# Altium PCB CarrierMotherboard.PcbDoc (part 3 of 6)
Units mm, origin at the board's own origin, x right, y up, seen from the top; angles counter-clockwise.
Board outline 152.4 x 101.6 mm, 8 copper layers (L1-CU, GND, L3-CU-PWR, L4-CU, L5-CU-GND, L6-CU, L7-CU-GND, L8-CU), stack 1.524 mm thick; 270 components, 270 nets, 1285 pads, 799 vias.
Unrouted connection lines stored in the file: 236.
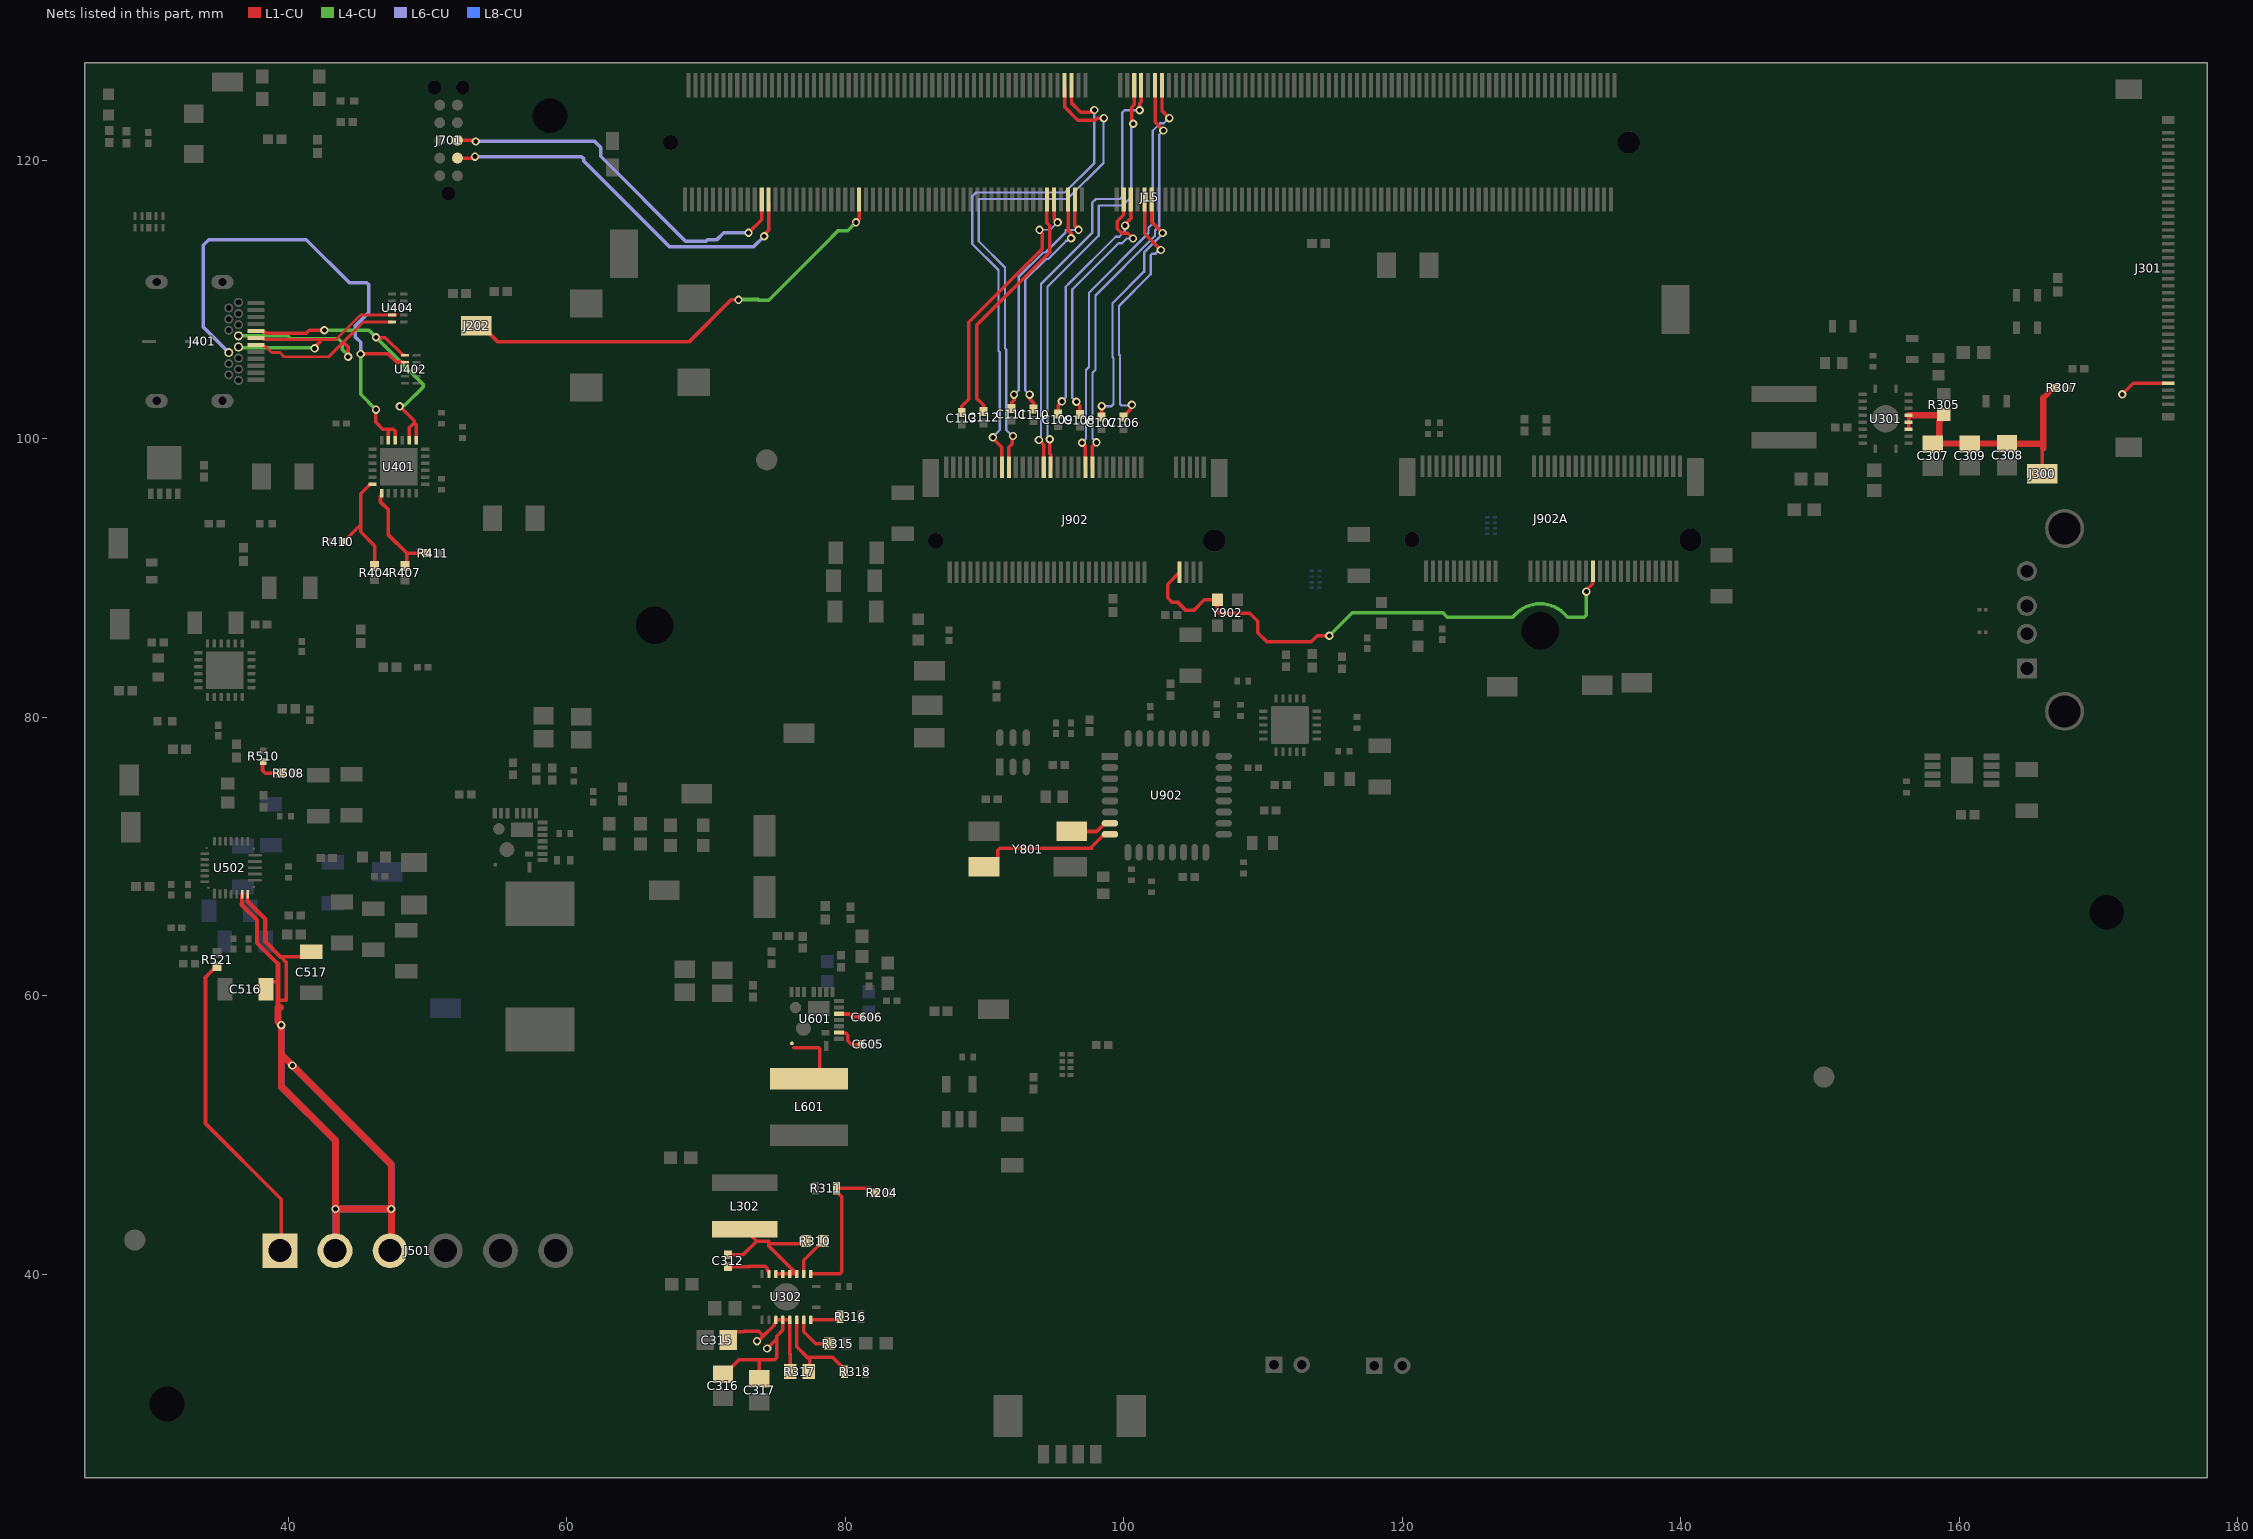
[diagram p9: the nets of this part, all layers, seen from the top]

## Via types
v1: diameter 0.6, hole 0.35, L1-CU to L8-CU, 799 vias

## Nets (pads, with @x,y where several pads share a name; then routed paths per layer and width w, separated by ;. In a path a pad name is that pad's centre, name@x,y a point inside that pad or via, vN(x,y) a via of type N, cw(c..) or ccw(c..) an arc to the next point about the centre after c; other vN are vias at no path point) (continued)
5V_SW: L601.1 U601.5-6-7-8-9 | length 4.5
  L1-CU w0.254: 76.288,56.273 78.082,56.273 78.186,56.168 78.186,54.694 77.538,54.046 L601.1@77.412,54.046
5V_VDD: C606.1 U601.15 | length 1.7
  L1-CU w0.254: U601.15@79.55,58.723 79.573,58.7 80.3,58.7 80.504,58.496 80.943,58.496 C606.1@81.1,58.34
5V_VDRV: C605.1 U601.12 | length 2.2
  L1-CU w0.254: U601.12@79.55,57.373 79.573,57.35 79.906,57.35 79.926,57.33 80.019,57.33 80.17,57.179 80.17,56.787 80.468,56.489 81.109,56.489 C605.1@81.135,56.515
6V0_EN: R204.2 R311.1 U302.2 | length 11.4
  L1-CU w0.254: U302.2@77.522,40.03 79.604,40.03 79.756,40.183 79.756,45.584 79.363,45.977 R311.1@79.363,46.177 81.796,46.177 82.126,45.847 R204.2@82.151,45.847
6V0_FB: 
6V0_MODE1: 
6V0_MODE2: 
6V0_OUT: C315.1 C316.1 C317.1 J301.37 R317.1 U302.14 U302.15 U302.16 | length 23.1
  L1-CU w0.254: C316.1@71.222,32.817 71.322,32.817 72.389,33.884 73.835,33.884 ; C315.1@71.582,35.27 71.582,35.371 72.082,35.871 72.701,35.871 72.746,35.916 73.781,35.916 74.121,35.575 ; v1(73.66,35.204) 73.75,35.204 74.121,35.575 ; C317.1@73.835,32.508 73.835,33.884 ; v1(74.391,34.674) 75.082,35.366 ; R317.1@76.038,33.026 76.038,34.288 76.022,34.304 U302.16@76.022,36.73 U302.15@75.522,36.73 ; v1(171.704,103.2) 172.504,104 J301.37@175,104 ; 73.835,33.884 74.934,33.884 75.082,34.032 75.082,35.366 ; 74.121,35.575 74.899,36.353 74.899,36.441 75.022,36.564 U302.14@75.022,36.73 U302.15@75.522,36.73 ; 75.082,35.366 75.082,35.57 75.522,36.009 U302.15@75.522,36.73
6V0_SW: C312.1 L302.2 R310.2 U302.4 U302.5 U302.6 U302.7 | length 11.8
  L1-CU w0.254: C312.1@71.761,41.414 72.657,41.414 73.635,42.392 ; L302.2@72.771,43.256 73.635,42.392 ; U302.7@75.022,40.03 U302.6@75.522,40.03 U302.5@76.022,40.03 U302.4@76.522,40.03 74.525,42.028 74.525,42.207 ; R310.2@77.185,42.393 76.999,42.207 74.525,42.207 ; 73.635,42.392 74.52,42.392 74.525,42.387 74.525,42.207
6V0_VDD: 
6V_BOOT: C312.2 U302.8 | length 3.2
  L1-CU w0.254: C312.2@71.761,40.556 73.067,40.556 73.098,40.587 74.246,40.587 74.399,40.434 74.399,40.319 74.522,40.196 U302.8@74.522,40.03
6V_COMP: R315.2 U302.18 | length 3
  L1-CU w0.254: U302.18@77.022,36.73 77.022,35.881 77.877,35.026 R315.2@78.856,35.026
6V_FSW: R310.1 U302.3 | length 3
  L1-CU w0.254: U302.3@77.022,40.03 77.029,40.037 77.029,41.006 78.112,42.089 78.175,42.089 78.416,42.329 R310.1@78.416,42.393
6V_ILIM: R316.1 U302.19 | length 2.3
  L1-CU w0.254: U302.19@77.522,36.73 79.496,36.73 79.619,36.853 R316.1@79.619,36.958
10V_OUT: C307.1 C308.1 C309.1 J300.1 R305.1 R307.1 U301.14 U301.15 U301.16 | length 20.1
  L1-CU w0.254: U301.14@156.361,100.698 U301.15@156.361,101.198 U301.16@156.361,101.698 ; R305.1@158.839,101.698 R305.1@158.894,101.752 ; C308.1@163.435,99.638 C308.1@163.536,99.638 ; J300.1@165.964,97.485 165.964,99.238 166.04,99.314
  L1-CU w0.4: 166.04,102.946 R307.1@166.756,103.662
  L1-CU w0.45: U301.16@156.361,101.698 158.638,101.698 R305.1@158.839,101.698 ; C307.1@158.09,99.615 158.144,99.67 160.68,99.67 163.108,99.67 C308.1@163.307,99.869 ; C307.1@158.572,100.038 158.572,101.246 158.638,101.311 158.638,101.51 158.88,101.752 R305.1@158.894,101.752 ; C308.1@163.408,99.869 163.632,99.644 166.04,99.644 ; 166.04,99.314 166.04,99.644 ; 166.04,102.946 166.04,99.644
32.7KHZ_OUT: J902.68 J902A.50 Y902.3 | length 40.1
  L1-CU w0.254: J902.68@104.003,90.421 103.149,89.568 103.149,88.594 103.491,88.252 103.899,88.252 104.258,87.893 104.47,87.681 105.02,87.681 105.784,88.445 Y902.3@106.726,88.445 106.726,87.626 106.875,87.478 109.042,87.478 109.626,86.893 109.626,86.083 110.29,85.42 113.462,85.42 113.902,85.86 v1(114.768,85.86) ; v1(133.223,89.027) 133.223,89.146 133.685,89.607 133.685,90.461 J902A.50@133.708,90.484
  L4-CU w0.254: v1(114.768,85.86) 116.411,87.503 122.926,87.503 123.156,87.273 123.231,87.198 127.834,87.198 127.925,87.198 127.995,87.256 ccw(c127.834,87.452) 128.028,87.288 cw(c129.908,85.707) 131.788,87.288 ccw(c131.982,87.452) 131.82,87.256 131.891,87.198 131.982,87.198 133.074,87.198 133.149,87.273 133.223,87.347 v1(133.223,89.027)
+5: 
ADDR0: R404.1 R410.1 U401.12 | length 8.5
  L1-CU w0.254: R410.1@43.986,92.608 44.011,92.608 44.159,92.756 44.159,92.781 45.2,93.822 ; U401.12@46.05,96.75 45.879,96.75 45.2,96.071 45.2,93.822 ; R404.1@46.2,90.879 46.2,92.325 45.2,93.325 45.2,93.822
ADDR1: R407.1 R411.1 U401.13 | length 7.5
  L1-CU w0.254: U401.13@46.7,96.1 46.7,95.929 46.628,95.857 46.628,95.472 47.2,94.9 47.2,93.1 48.5,91.8 ; R407.1@48.385,90.868 48.5,90.983 48.5,91.8 ; R411.1@49.95,91.8 48.5,91.8
AUDIO_XTI: U902.8 Y801.1 | length 10.4
  L1-CU w0.254: Y801.1@89.966,69.266 90.366,69.266 90.939,69.839 90.939,70.416 91.11,70.587 97.692,70.587 97.714,70.608 97.714,70.719 98.595,71.6 U902.8@99.009,71.6
AUDIO_XTO: U902.7 Y801.3 | length 3
  L1-CU w0.254: Y801.3@96.266,71.806 98.063,71.806 98.658,72.4 U902.7@99.009,72.4
BAT: C516.1 C517.1 J501.2 J501.3 U502.22 U502.23 | length 100
  L1-CU w0.254: 36.653,66.637 36.653,66.919 36.657,66.923 36.657,67.028 36.673,67.044 36.673,67.273 U502.22@36.7,67.3 ; 36.656,66.548 36.656,66.634 ; 37.053,66.833 U502.23@37.053,67.3 ; C516.1@38.36,60.477 38.36,60.602 38.758,61 39.253,61 ; 39.253,59.374 39.453,59.174 ; 39.253,59.7 39.853,59.7 39.853,62.4 39.454,62.799 ; 39.469,62.813 41.245,62.813 C517.1@41.606,63.175 ; 39.5,55.7 39.6,55.7 ; J501.2@43.43,41.93 J501.2@43.46,41.9 ; J501.3@47.41,41.91 J501.3@47.42,41.9
  L1-CU w0.3: 36.653,66.637 36.656,66.634 ; 36.656,66.548 37.753,65.451 37.753,63.8 39.253,62.3 ; 37.053,66.833 38.353,65.533 38.353,63.9 39.454,62.799
  L1-CU w0.35: 39.253,59.374 39.253,59.7 39.253,61 39.253,62.3
  L1-CU w0.5: 39.253,58.127 39.253,59.174 39.453,59.174 ; 39.3,58.127 39.5,57.927 39.5,55.7 39.5,53.5 43.4,49.6 v1(43.4,44.7) v1(47.4,44.7) 47.4,47.9 v1(40.3,55) 39.6,55.7 ; J501.2@43.43,41.93 v1@43.43,44.67 ; J501.3@47.41,41.91 v1@47.41,44.69
  L8-CU w0.254: J501.2@43.43,41.93 J501.2@43.46,41.9 ; J501.3@47.41,41.91 J501.3@47.42,41.9
  L8-CU w0.5: v1(39.5,57.9) 39.5,53.5 43.4,49.6 v1(43.4,44.7) v1(47.4,44.7) 47.4,47.9 v1(40.3,55) ; J501.2@43.43,41.93 v1@43.43,44.67 ; J501.3@47.41,41.91 v1@47.41,44.69
BATP: J501.1 R521.2 | length 22.8
  L1-CU w0.254: 34.015,61.287 R521.2@34.85,62.122 ; 34.061,61.287 34.061,50.839 39.5,45.4 J501.1@39.5,41.9
C_PCIE0_RX0_N: J15.131 J902.41 | length 30.3
  L1-CU w0.249: v1(97.003,99.72) 97.253,99.47 J902.41@97.253,97.971 ; J15.131@102.75,125.2 102.75,123.564 v1(103.276,123.038)
  L6-CU w0.167: v1(97.003,99.72) 97.29,100.007 97.29,104.943 97.501,105.154 97.501,110.499 101.78,114.778 101.78,115.156 102.09,115.466 102.09,122.121 102.632,122.662 102.873,122.662 103.248,123.038 v1(103.276,123.038)
C_PCIE0_RX0_P: J15.133 J902.43 | length 29.8
  L1-CU w0.249: J902.43@97.753,97.971 97.753,99.454 v1(98.044,99.746) ; J15.133@102.25,125.2 102.25,122.743 v1(102.845,122.149)
  L6-CU w0.167: v1(98.044,99.746) 97.757,100.033 97.757,104.75 97.968,104.96 97.968,110.305 102.247,114.584 102.247,114.962 102.557,115.273 102.557,121.834 102.845,122.121 v1(102.845,122.149)
C_PCIE0_RX1_N: J15.137 J902.29 | length 32.1
  L1-CU w0.249: v1(93.904,99.924) 94.253,99.575 J902.29@94.253,97.971 ; v1(101.143,123.596) 101.143,124.093 101.25,124.201 J15.137@101.25,125.2
  L6-CU w0.167: v1(93.904,99.924) 93.904,100.041 94.064,100.201 94.064,111.115 97.729,114.781 97.729,116.957 98.003,117.231 99.724,117.231 99.898,117.405 99.898,123.444 100.051,123.596 v1(101.143,123.596)
C_PCIE0_RX1_P: J15.139 J902.31 | length 31
  L1-CU w0.249: v1(94.691,99.974) 94.691,98.932 94.753,98.87 J902.31@94.753,97.971 ; v1(100.686,122.631) 100.588,122.728 100.588,123.826 100.75,123.988 J15.139@100.75,125.2
  L6-CU w0.167: v1(94.691,99.974) 94.691,100.092 94.531,100.252 94.531,110.922 98.196,114.587 98.196,116.764 99.918,116.764 100.543,117.389 100.543,122.372 100.686,122.514 v1(100.686,122.631)
C_PCIE0_RX2_N: J15.149 J902.17 | length 37.4
  L1-CU w0.249: v1(90.607,100.107) 90.607,100.051 91.253,99.405 J902.17@91.253,97.971 ; J15.149@96.25,125.2 96.25,124.12 96.926,123.444 97.714,123.444 v1(97.892,123.622)
  L6-CU w0.167: v1(90.607,100.107) 90.607,100.158 91.092,100.642 91.092,106.229 91.003,106.318 91.003,112.121 89.119,114.005 89.119,117.415 89.392,117.688 95.758,117.688 97.892,119.822 v1(97.892,123.622)
C_PCIE0_RX2_P: J15.151 J902.19 | length 38.3
  L1-CU w0.249: J902.19@91.753,97.971 91.753,99.405 91.982,99.635 91.982,100.136 v1(92.05,100.203) ; J15.151@95.75,125.2 95.75,123.844 96.699,122.895 97.941,122.895 98.084,123.038 v1(98.577,123.038)
  L6-CU w0.167: v1(92.05,100.203) 91.999,100.203 91.559,100.642 91.559,106.422 91.47,106.511 91.47,112.314 89.586,114.199 89.586,117.221 95.952,117.221 98.546,119.815 98.546,123.006 v1(98.577,123.038)
C_PCIE0_TX0_N: C107.1 J15.134 | length 18
  L1-CU w0.249: C107.1@98.418,101.585 v1@98.418,102.353 ; J15.134@102,117 102,115.576 v1(102.794,114.783)
  L6-CU w0.167: v1(98.418,102.353) 99.126,102.353 99.268,102.495 99.268,105.797 99.191,105.873 99.191,109.74 101.463,112.012 101.463,113.38 102.794,114.711 v1(102.794,114.783)
C_PCIE0_TX0_P: C106.1 J15.136 | length 18.5
  L1-CU w0.249: C106.1@99.991,101.585 99.991,101.618 100.518,102.145 100.518,102.373 v1(100.585,102.44) ; J15.136@101.5,117 101.5,114.73 v1(102.667,113.563)
  L6-CU w0.167: v1(100.585,102.44) 100.541,102.397 99.833,102.397 99.735,102.495 99.735,105.99 99.658,106.067 99.658,109.547 101.93,111.818 101.93,113.186 102.048,113.305 102.291,113.305 102.55,113.563 v1(102.667,113.563)
C_PCIE0_TX1_N: C109.1 J15.140 | length 17.6
  L1-CU w0.249: v1(100.101,115.316) 100.101,115.411 100.524,115.834 100.524,115.976 100.5,116.001 J15.140@100.5,117
  L1-CU w0.254: C109.1@95.274,101.779 95.3,101.805 95.3,102.407 95.555,102.662 v1(95.555,102.692)
  L6-CU w0.167: v1(95.555,102.692) 95.842,102.979 95.842,110.93 96.116,111.204 99.434,114.522 99.68,114.522 100.065,114.908 100.065,115.28 v1(100.101,115.316)
C_PCIE0_TX1_P: C108.1 J15.142 | length 18.6
  L1-CU w0.249: J15.142@100,117 100,116.086 99.547,115.633 99.547,115.086 99.872,114.762 100.291,114.762 v1(100.664,114.388)
  L1-CU w0.254: v1(96.596,102.667) 96.596,102.633 96.848,102.381 96.848,101.749 C108.1@96.846,101.746
  L6-CU w0.167: v1(96.596,102.667) 96.309,102.954 96.309,110.736 99.628,114.055 99.873,114.055 100.213,114.395 100.657,114.395 v1(100.664,114.388)
C_PCIE0_TX2_N: C111.1 J15.148 | length 17.6
  L1-CU w0.249: C111.1@91.95,102.17 91.95,102.614 92.126,102.79 v1(92.126,103.175) ; J15.148@96.5,117 96.5,115.26 v1(96.749,115.011)
  L6-CU w0.167: v1(92.126,103.175) 92.451,103.5 92.451,111.623 94.216,113.389 94.388,113.389 95.823,114.824 95.823,114.996 96.733,114.996 v1(96.749,115.011)
C_PCIE0_TX2_P: C110.1 J15.150 | length 16.8
  L1-CU w0.249: v1(93.243,103.175) 93.243,102.867 93.523,102.588 C110.1@93.523,102.144 ; J15.150@96,117 96,114.976 96.225,114.751 v1(96.225,114.404)
  L6-CU w0.167: v1(93.243,103.175) 92.918,103.5 92.918,111.43 94.41,112.922 94.582,112.922 95.88,114.22 95.924,114.22 96.108,114.404 v1(96.225,114.404)
C_PCIE0_TX3_N: C113.1 J15.154 | length 18.6
  L1-CU w0.249: C113.1@88.369,101.891 88.369,102.335 88.881,102.846 88.881,108.373 94.15,113.643 94.15,114.721 93.955,114.916 v1(93.955,115.011) ; J15.154@95,117 95,116.001 95.024,115.976 95.024,115.77 v1(95.25,115.545)
  L6-CU w0.12: v1(93.955,115.011) 94.717,115.011 95.183,115.478 v1@95.183,115.545
C_PCIE0_TX3_P: C112.1 J15.156 | length 17.5
  L1-CU w0.249: C112.1@89.941,101.962 89.941,102.406 89.43,102.918 89.43,108.146 94.699,113.415 94.699,115.312 94.474,115.536 94.474,116.974 J15.156@94.5,117
CC: J401.A5 U401.1 U401.2 U402.1 | length 23.2
  L1-CU w0.254: J401.A5@37.68,107.75 38.13,107.75 38.223,107.657 38.386,107.657 38.443,107.6 41.3,107.6 41.5,107.8 v1(42.6,107.8) ; v1(46.3,107.3) 46.327,107.273 46.981,107.273 48.254,106 U402.1@48.382,106 ; v1(48.006,102.337) 49.05,101.293 49.05,101.15 ; U401.2@48.7,99.9 48.7,100.8 49.05,101.15 ; U401.1@49.2,99.9 49.2,101 49.05,101.15
  L4-CU w0.254: v1(42.6,107.8) 45.8,107.8 v1(46.3,107.3) 49.682,103.918 49.682,103.708 48.377,102.403 48.072,102.403 v1(48.006,102.337)
CC2: J401.B5 U401.4 U401.5 U402.2 | length 39.3
  L1-CU w0.254: v1(45.2,106.1) 47.189,106.1 47.789,105.5 U402.2@48.382,105.5 ; v1(46.3,102.1) 46.3,101.2 46.8,100.7 47.176,100.7 ; U401.5@47.2,99.9 47.2,100.676 47.176,100.7 ; U401.4@47.7,99.9 47.7,100.551 47.551,100.7 47.176,100.7
  L4-CU w0.254: v1(45.2,106.1) 45.2,103.2 v1(46.3,102.1)
  L6-CU w0.254: J401.B5@35.73,106.2 33.9,108.03 33.9,113.9 34.3,114.3 41.3,114.3 44.4,111.2 45.651,111.2 45.8,111.051 45.8,109.1 44.8,108.1 44.8,107.347 45.2,106.947 v1(45.2,106.1)
CLK_32_OUT: J15.210 J202.1 | length 32.9
  L1-CU w0.254: J202.1@53.492,108.128 53.892,108.128 55.061,106.959 68.777,106.959 71.799,109.982 v1(72.339,109.982) ; v1(80.772,115.545) 81,115.773 J15.210@81,117
  L4-CU w0.254: v1(72.339,109.982) 72.368,110.01 73.736,110.01 73.79,109.957 74.498,109.957 78.486,113.944 78.486,113.947 79.481,114.942 80.169,114.942 v1(80.772,115.545)
DEBUG_RXD_1V8: J15.238 J701.3 | length 27.1
  L1-CU w0.254: J701.3@52.149,121.432 53.396,121.432 v1(53.467,121.361) ; v1(73.05,114.8) 73.994,115.744 73.994,116.994 J15.238@74,117
  L6-CU w0.254: v1(53.467,121.361) 62.001,121.361 62.433,120.929 62.433,120.3 68.535,114.198 70.014,114.198 70.103,114.287 70.754,114.287 71.266,114.8 v1(73.05,114.8)
DEBUG_TXD_1V8: J15.236 J701.2 | length 27.7
  L1-CU w0.254: J701.2@52.149,120.162 53.186,120.162 53.292,120.269 v1(53.416,120.269) ; v1(74.175,114.55) 74.175,114.674 74.5,114.999 J15.236@74.5,117
  L6-CU w0.254: v1(53.416,120.269) 61.065,120.269 61.239,120.095 61.239,119.939 67.364,113.814 73.439,113.814 v1(74.175,114.55)
DN1: J401.A7 J401.B7 U404.5 | length 21.2
  L1-CU w0.2: J401.A7@37.68,106.75 38.13,106.75 38.25,106.63 38.375,106.63 38.805,106.2 39.4,106.2 39.7,105.9 42.9,105.9
  L1-CU w0.22: 42.9,105.9 43.95,106.95 45.4,108.4 U404.5@47.465,108.4
  L1-CU w0.254: 43.95,106.95 44.3,106.6 v1(44.3,105.9)
  L4-CU w0.254: J401.B7@36.43,107.4 39.969,107.4 40.169,107.2 43.6,107.2 43.875,106.925 43.875,106.419 v1@44.3,105.994
  L6-CU w0.254: v1(44.3,105.9) v1@44.3,105.994
DP1: J401.A6 J401.B6 U404.4 | length 17.1
  L1-CU w0.18: 43.43,107.13 45.2,108.9
  L1-CU w0.2: J401.A6@37.68,107.25 37.73,107.2 38.18,107.2 38.25,107.13 42.3,107.13 43.43,107.13 ; 45.2,108.9 U404.4@47.465,108.9
  L1-CU w0.254: v1(41.9,106.5) 41.9,106.594 42.3,106.994 42.3,107.13 ; U404.4@47.465,108.9 U404.4@47.734,108.9
  L4-CU w0.254: J401.B6@36.48,106.55 v1@41.85,106.55
  L6-CU w0.254: J401.B6@36.43,106.6 J401.B6@36.48,106.55 ; v1@41.85,106.55 v1(41.9,106.5)
FB_6V: R317.2 R318.1 U302.17 | length 7.3
  L1-CU w0.254: U302.17@76.522,36.73 76.522,34.806 77.292,34.036 ; R317.2@77.388,33.026 77.445,33.082 77.445,33.884 77.292,34.036 ; R318.1@79.946,32.995 79.946,33.195 79.104,34.036 77.292,34.036
FLT#: R508.2 R510.1 | length 2
  L1-CU w0.254: R510.1@38.153,76.825 38.153,76.2 38.353,76 R508.2@39.478,76